# KiCad board ENV_KB_RGB.kicad_pcb (continued)
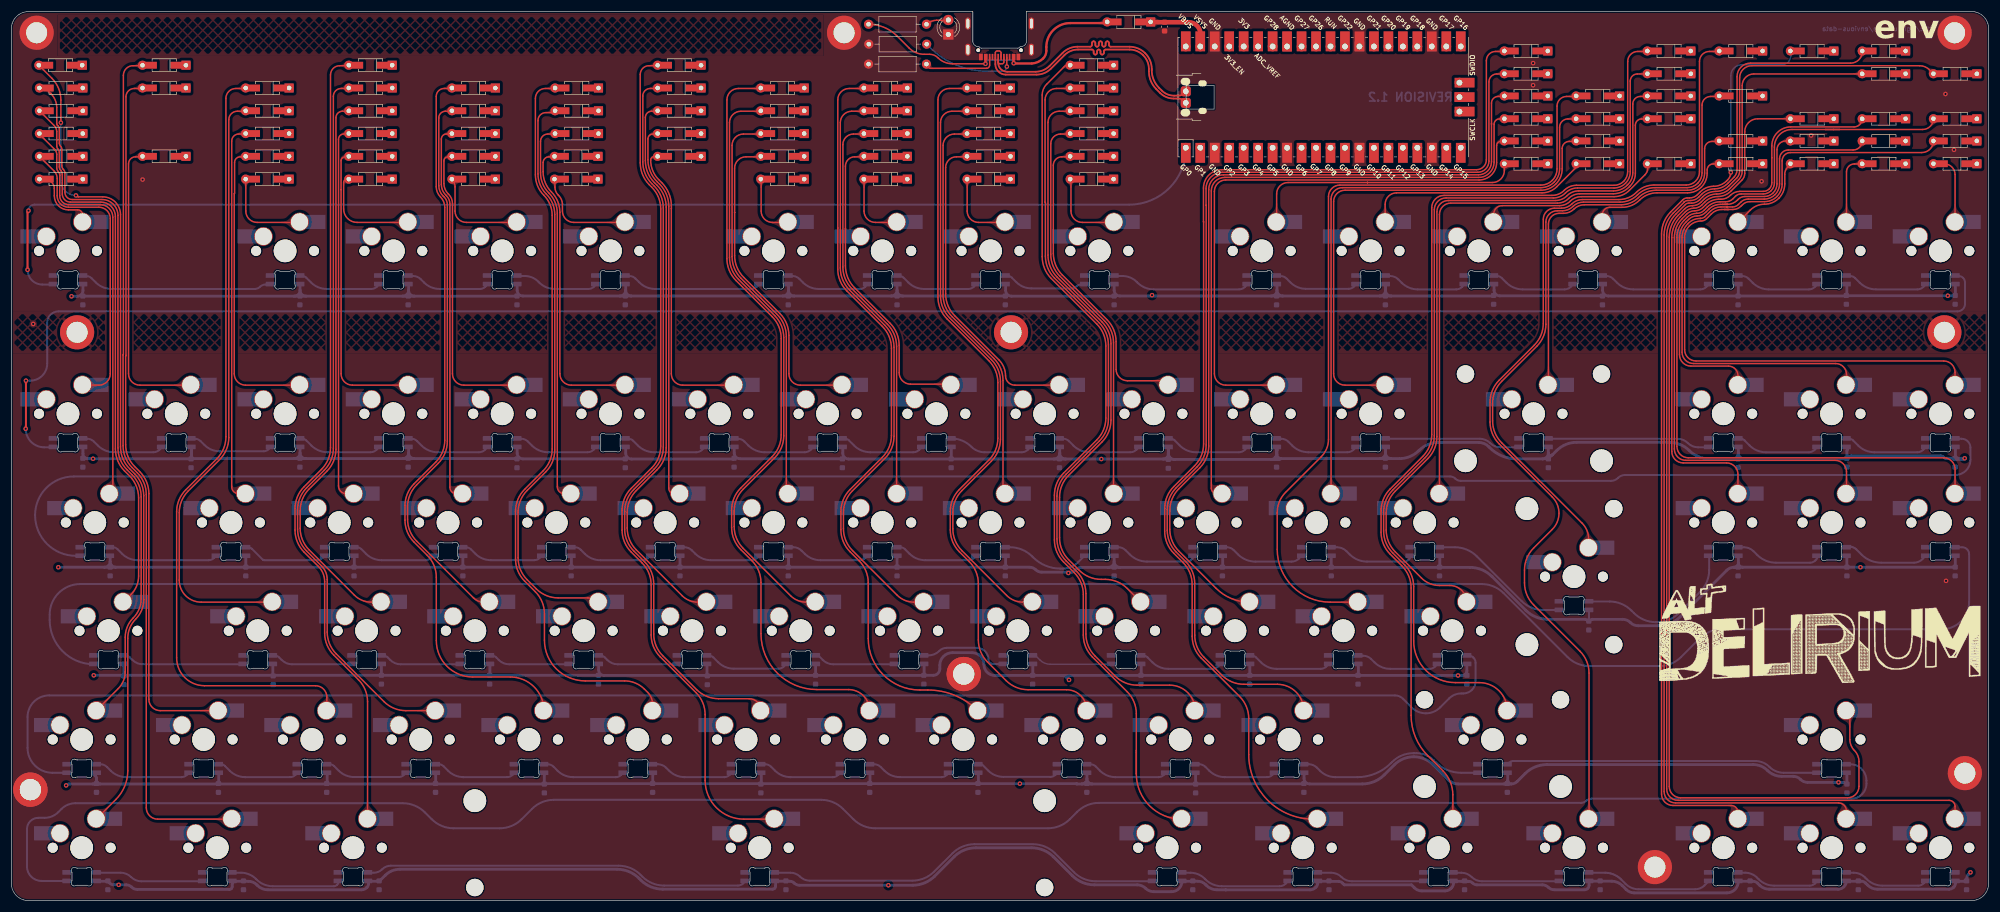
[diagram p0: board, top side]
## Routing (per net, layer and track width the routed paths; a pad name or vN(x,y) marks a point on that pad's centre or on a via; arc(x,y) is an arc through that point) (continued)
USB2_N: length 48
  Top w0.25: 173.18,147.68 173.18,147.25 arc(173.28,147.03) 173.5,146.94 173.87,146.94 arc(174.09,147.03) 174.18,147.25 174.18,148.1
  Top w0.3: RPI0.TP2 205.72,141.72 arc(205.3,141.43) 204.8,141.33 204.06,141.33 arc(202.88,141.57) 201.88,142.24 201.42,142.7 arc(200.47,144.13) 200.13,145.81 200.13,146.01 arc(199.83,147.51) 198.98,148.79 arc(197.71,149.64) 196.21,149.94 192.93,149.94 arc(192.72,150.02) 192.63,150.24 192.63,150.58 arc(192.55,150.79) 192.33,150.88 arc(192.12,150.79) 192.03,150.58 192.03,150.24 arc(191.95,150.02) 191.73,149.94 arc(191.52,150.02) 191.43,150.24 191.43,150.58 arc(191.35,150.79) 191.13,150.88 arc(190.92,150.79) 190.83,150.58 190.83,150.24 arc(190.75,150.02) 190.53,149.94 arc(190.32,150.02) 190.23,150.24 190.23,150.58 arc(190.15,150.79) 189.93,150.88 arc(189.72,150.79) 189.63,150.58 189.63,150.24 arc(189.55,150.02) 189.33,149.94 187.11,149.94 arc(185.7,149.65) 184.5,148.85 182.2,146.56 arc(181.07,145.8) 179.73,145.53 174.76,145.53 arc(173.64,146) 173.18,147.11 173.18,147.68
USB2_P: length 48
  Top w0.25: 172.68,147.72 172.68,148.87 arc(172.78,149.09) 173,149.19 173.35,149.19 arc(173.59,149.09) 173.68,148.85 173.68,148.1
  Top w0.3: 172.68,147.72 172.68,146.86 arc(173.22,145.57) 174.5,145.03 179.93,145.03 arc(181.28,145.3) 182.41,146.06 184.79,148.44 arc(185.89,149.18) 187.2,149.44 189.63,149.44 arc(189.85,149.35) 189.93,149.13 189.93,148.85 arc(190.02,148.64) 190.23,148.55 arc(190.45,148.64) 190.53,148.85 190.53,149.13 arc(190.62,149.35) 190.83,149.44 arc(191.05,149.35) 191.13,149.13 191.13,148.85 arc(191.22,148.64) 191.43,148.55 arc(191.65,148.64) 191.73,148.85 191.73,149.13 arc(191.82,149.35) 192.03,149.44 196.21,149.44 arc(197.52,149.17) 198.63,148.43 arc(199.37,147.32) 199.63,146.01 199.63,145.61 arc(199.97,143.92) 200.92,142.49 201.6,141.81 arc(202.68,141.09) 203.96,140.83 204.8,140.83 arc(205.3,140.74) 205.72,140.45 RPI0.TP3
USBVBUS: length 51.3
  Top w0.25: v1(170.95,146.94) 165.17,146.94 arc(163.78,147.21) 162.6,148 arc(161.94,148.44) 161.15,148.6 160.2,148.6 arc(158.77,148.88) 157.55,149.7 155.44,151.81 arc(153.17,153.33) 150.5,153.86
  Top w0.4: 175.88,148.1 175.88,147.08 arc(175.89,147.06) v1(175.9,147.03) ; v1(175.9,147.03) 175.95,146.99 179.08,146.99 arc(180.17,147.25) 181.08,147.88 arc(181.49,148.49) 181.63,149.21 181.63,149.88 arc(182.86,152.85) 185.83,154.08 191.83,154.08 arc(192.09,154.14) rvs1.2 ; v1(175.9,147.03) arc(175.92,147) 175.95,146.99 ; v1(170.95,146.94) 170.95,146.94 170.95,148.03 170.95,148.03 arc(170.96,148.07) 170.98,148.1
  Bottom w0.3: v1(170.95,146.94) arc(171.14,147.39) 171.59,147.57 175.36,147.57 arc(175.74,147.42) v1(175.9,147.03)
VSYS: length 2128.9
  Top w0.8: 208.69,149.97 208.69,152.12 arc(208.07,153.62) 206.58,154.24 200.02,154.24
  Bottom w0.35: 276.86,51.02 276.86,49.01
  Bottom w0.4: 12.56,79.59 12.56,77.59 v1(14.33,77.59) ; 204.13,77.46 C83.1
  Bottom w0.5: 322.11,106.21 v1(339.84,106.21) 341.16,106.21 ; 203.06,79.59 203.06,78.53 arc(203.37,77.77) 204.13,77.46 221.08,77.46 ; 184.28,39.53 172.58,39.53 arc(171.24,40.09) 170.68,41.44 arc(170.07,42.92) 168.58,43.53 165.15,43.53 arc(163.58,42.89) 162.93,41.32 162.93,40.69 arc(162.6,39.89) 161.81,39.56 C90.1 160.11,39.53 104.03,39.53 arc(103.34,39.82) 103.06,40.51 103.06,41.48 ; 184.28,39.53 185.38,39.53 ; 184.28,39.53 arc(184.79,39.43) 185.22,39.15 ; 194.55,58.51 255.99,58.51 arc(258.07,58.1) 259.83,56.92 265.77,50.98 arc(267.53,49.8) 269.62,49.39 276.2,49.39 arc(276.45,49.34) 276.66,49.2 ; 194.55,58.51 192.52,58.51 ; 194.55,58.51 arc(193.83,58.81) 193.53,59.53 ; 179.26,39.53 179.26,41.48 ; 15.55,20.48 14.32,20.48 ; 15.55,20.48 93.48,20.48 ; 15.55,20.48 arc(15.11,20.66) 14.93,21.1 ; 14.32,20.48 10.03,20.48 arc(9.87,20.45) 9.73,20.36 v1(9.61,20.23) ; 14.32,20.48 arc(14.75,20.66) 14.93,21.1 ; 262.61,21.1 262.61,22.43 ; 262.61,21.1 arc(262.79,20.66) 263.22,20.48 ; 262.61,21.1 arc(262.43,20.66) 262,20.48 ; 122.08,39.51 122.08,41.48 ; 107.81,79.59 107.81,78.56 arc(108.11,77.84) 108.84,77.53 126.81,77.53 ; 93.66,20.53 v1(176.98,20.53) 186.9,20.53 arc(186.93,20.53) 186.96,20.51 arc(186.99,20.49) 187.02,20.48 187.87,20.48 ; 185.22,39.15 v1(185.61,38.75) ; 185.22,39.15 arc(185.17,39.39) 185.38,39.53 ; 231.24,3.4 229.61,3.4 arc(229.36,3.29) 229.25,3.03 arc(229.19,2.7) 229,2.42 228.86,2.28 arc(228.43,2) 227.92,1.9 213.13,1.9 arc(213.12,1.9) 213.12,1.9 arc(213.12,1.9) 213.11,1.9 211.55,1.9 arc(210.58,2.1) 209.74,2.65 209.55,2.84 arc(208.93,3.26) 208.21,3.4 207.42,3.4 ; 93.53,20.41 93.53,22.43 ; 31.61,77.56 31.61,79.59 ; 14.94,3.4 16.93,3.4 ; 126.86,79.59 126.86,78.59 arc(127.15,77.88) 127.86,77.59 145.86,77.59 ; 322.21,79.51 322.21,79.16 arc(322.2,79.11) 322.17,79.07 arc(322.14,79.03) 322.13,78.98 322.13,77.96 arc(322.22,77.82) 322.38,77.86 arc(322.65,78.04) 322.97,78.1 338.53,78.1 arc(338.82,78.04) 339.06,77.88 arc(339.3,77.72) 339.59,77.66 v1(342.8,77.66) 342.7,77.56 arc(342.59,77.49) 342.45,77.46 341.03,77.46 ; v1(10.55,106.11) 11.55,106.11 arc(12.26,106.4) 12.56,107.11 12.56,108.17 ; 276.88,3.4 276.88,2.68 arc(276.82,2.38) 276.65,2.13 arc(276.4,1.96) 276.1,1.91 270.77,1.91 arc(270.21,2.02) 269.73,2.34 arc(269.25,2.66) 268.69,2.77 257.2,2.77 arc(256.8,2.85) 256.45,3.08 arc(256.11,3.31) 255.71,3.39 253.07,3.39 ; 88.76,108.17 88.76,107.16 arc(89.05,106.45) 89.76,106.16 106.8,106.16 ; 242.15,77.61 243.59,77.61 arc(245.45,77.98) 247.03,79.03 arc(248.61,80.09) 250.47,80.46 257.46,80.46 arc(258.43,80.27) 259.26,79.72 259.46,79.52 arc(261.63,78.07) 264.18,77.56 268.72,77.56 ; 242.15,77.61 240.17,77.61 ; 242.15,77.61 arc(241.45,77.9) 241.16,78.6 ; 182.97,77.53 164.98,77.53 ; 182.97,77.53 185,77.53 ; 182.97,77.53 arc(183.68,77.83) 183.98,78.55 ; 222.13,79.57 222.13,79.13 arc(222.13,79.11) 222.12,79.1 arc(222.11,79.08) 222.11,79.07 222.11,78.35 arc(222.32,77.83) 222.85,77.61 ; 253.06,3.4 253.06,2.98 arc(252.99,2.59) 252.77,2.26 252.64,2.13 arc(252.17,1.82) 251.61,1.7 247.53,1.7 arc(246.83,1.84) 246.24,2.24 245.71,2.77 233.91,2.77 233.61,3.08 arc(233.27,3.3) 232.87,3.38 231.25,3.38 ; 192.52,58.51 187.77,58.51 arc(187.23,58.4) 186.76,58.09 186.59,57.92 arc(186.32,57.74) 186,57.68 185.75,57.68 arc(185.65,57.66) 185.57,57.6 v1(185.5,57.53) 185.42,57.6 arc(185.34,57.66) 185.24,57.68 180.79,57.68 arc(180.23,57.79) 179.75,58.11 arc(179.28,58.42) 178.72,58.53 18.33,58.53 ; 192.52,58.51 arc(193.23,58.81) 193.53,59.53 ; 46.03,39.56 C43.1 ; 255.43,41.48 255.43,40.31 arc(255.21,39.76) 254.66,39.53 v1(253.88,39.53) 185.38,39.53 ; 31.58,77.59 v1(14.33,77.59) 13.45,77.59 arc(12.82,77.84) 12.56,78.47 12.56,79.59 ; 183.98,78.55 183.98,79.57 ; 183.98,78.55 arc(184.28,77.83) 185,77.53 ; 240.17,77.61 222.85,77.61 ; 240.17,77.61 arc(240.87,77.9) 241.16,78.6 ; 222.85,77.61 arc(222.68,77.5) 222.48,77.46 221.08,77.46 ; 302.07,77.56 297.99,77.56 arc(296.09,77.94) 294.48,79.02 arc(292.87,80.09) 290.96,80.47 274.7,80.47 arc(272.8,80.09) 271.19,79.02 270.45,78.28 ; 302.07,77.56 304.09,77.56 ; 302.07,77.56 arc(302.79,77.86) 303.08,78.57 ; 145.91,79.59 145.91,78.56 arc(146.21,77.84) 146.94,77.53 164.93,77.53 ; 221.08,77.46 arc(221.75,77.74) 222.03,78.41 LED28.1 ; 341.17,3.4 341.17,3.03 arc(341.1,2.69) 340.91,2.4 340.84,2.33 arc(340.47,2.08) 340.04,2 327.5,2 arc(326.58,2.18) 325.79,2.7 325.42,3.07 arc(325.05,3.32) 324.61,3.41 324.13,3.41 ; 221.1,106.16 200.44,106.16 arc(200.34,106.18) 200.26,106.23 v1(200.18,106.31) 200.11,106.23 arc(200.02,106.18) 199.93,106.16 194.54,106.16 arc(193.83,106.45) 193.53,107.16 193.53,108.17 ; 221.1,106.16 223.11,106.16 ; 221.1,106.16 arc(221.81,106.45) 222.11,107.16 ; C4.1 41.13,60.54 ; 262,20.48 253.9,20.48 arc(252.97,20.67) 252.18,21.2 249.53,23.85 arc(247.96,24.89) 246.12,25.26 arc(244.27,24.89) 242.7,23.85 240.94,22.08 arc(239.17,20.9) 237.09,20.48 227.83,20.48 arc(227.14,20.77) 226.86,21.46 226.86,22.43 ; 262,20.48 263.22,20.48 ; 50.66,78.6 50.66,79.59 ; 50.66,78.6 arc(50.37,77.9) 49.67,77.61 ; 50.66,78.6 arc(50.95,77.9) 51.65,77.61 ; 341.16,58.51 341.16,60.53 ; 50.66,107.15 50.66,108.17 ; 50.66,107.15 arc(50.96,106.43) 51.68,106.13 ; 50.66,107.15 arc(50.36,106.43) 49.64,106.13 ; 185,77.53 v1(191.28,77.53) 202.16,77.53 ; 207.93,20.51 226.83,20.51 ; v1(14.46,39.56) 19.63,39.56 ; 174.48,108.17 174.48,107.15 arc(174.78,106.43) 175.5,106.13 193.51,106.13 ; 303.08,59.29 303.08,60.53 ; 303.08,59.29 arc(302.86,58.75) 302.33,58.53 ; 303.08,59.29 arc(303.3,58.75) 303.83,58.53 ; 241.16,78.6 241.16,79.59 ; 270.45,78.28 arc(269.99,78.19) 269.73,78.58 ; 270.45,78.28 arc(269.66,77.75) 268.72,77.56 ; 55.42,20.5 55.42,22.44 ; 150.68,20.48 150.68,22.43 ; 136.38,107.16 136.38,108.17 ; 136.38,107.16 arc(136.09,106.45) 135.38,106.16 ; 136.38,107.16 arc(136.68,106.45) 137.39,106.16 ; 202.16,77.53 202.98,77.53 ; 202.16,77.53 arc(202.78,77.79) 203.03,78.41 LED27.1 ; 212.58,58.56 212.58,60.54 ; 74.46,20.48 74.46,22.43 ; 18.33,58.53 16.33,58.53 ; 18.33,58.53 arc(17.63,58.83) 17.33,59.53 ; 16.33,58.53 v1(8.23,58.53) ; 16.33,58.53 arc(17.04,58.83) 17.33,59.53 ; 189.65,20.48 207.81,20.48 ; 189.65,20.48 187.87,20.48 ; 189.65,20.48 arc(189.02,20.74) 188.76,21.37 ; 45.83,39.56 19.83,39.56 ; 108.81,106.16 106.8,106.16 ; 108.81,106.16 135.38,106.16 ; 108.81,106.16 arc(108.1,106.45) 107.81,107.16 ; 106.8,106.16 arc(107.51,106.45) 107.81,107.16 ; 207.83,20.41 207.83,22.43 ; 135.38,106.16 137.39,106.16 ; C66.1 155.43,60.54 ; 279.26,108.17 279.26,107.16 arc(279.55,106.45) 280.26,106.16 322.06,106.16 ; 260.21,108.17 260.21,107.18 arc(260.5,106.48) 261.2,106.19 279.23,106.19 ; 69.71,107.15 69.71,108.17 ; 69.71,107.15 arc(70.01,106.43) 70.73,106.13 ; 69.71,107.15 arc(69.41,106.43) 68.69,106.13 ; 45.88,39.51 45.88,41.48 ; 40.78,3.39 41.62,3.39 arc(42.39,3.24) 43.05,2.8 43.2,2.65 arc(44.02,2.09) 45,1.9 61.47,1.9 arc(61.93,1.99) 62.32,2.25 62.43,2.36 arc(62.61,2.63) 62.67,2.95 62.67,3.29 ; 154.43,106.16 137.39,106.16 ; 154.43,106.16 156.44,106.16 ; 154.43,106.16 arc(155.14,106.45) 155.43,107.16 ; 107.78,77.56 89.78,77.56 arc(89.06,77.86) 88.76,78.58 88.76,79.59 ; 49.64,106.13 12.58,106.13 ; 49.64,106.13 51.68,106.13 ; 322.12,60.54 322.12,58.52 ; 304.09,77.56 322.08,77.56 ; 304.09,77.56 arc(303.38,77.86) 303.08,78.57 ; 240.15,106.16 223.11,106.16 ; 240.15,106.16 242.16,106.16 ; 240.15,106.16 arc(240.86,106.45) 241.16,107.16 ; 223.11,106.16 arc(222.4,106.45) 222.11,107.16 ; 40.78,3.4 39.33,3.4 arc(38.92,3.23) 38.75,2.82 38.75,2.44 arc(38.72,2.26) 38.61,2.1 arc(38.46,2) 38.28,1.97 22.08,1.97 arc(21.56,2.07) 21.11,2.37 arc(20.66,2.67) 20.14,2.77 v1(18.83,2.77) 17.99,2.77 arc(17.59,2.85) 17.24,3.08 16.93,3.39 ; 36.38,20.48 36.38,22.43 ; 141.13,39.53 141.13,41.48 ; 136.38,58.51 136.38,60.54 ; 341.18,3.39 342.71,3.39 arc(343.03,3.52) 343.16,3.85 arc(343.25,4.27) 343.49,4.63 v1(343.82,4.96) ; 83.98,39.53 83.98,41.48 ; 322.13,22.43 322.13,20.66 arc(322.07,20.56) 321.96,20.59 arc(321.76,20.71) 321.54,20.76 v1(320.66,20.76) 315.26,20.76 arc(314.57,20.9) 313.98,21.29 arc(313.39,21.68) 312.7,21.82 310.68,21.82 arc(309.33,22.09) 308.19,22.85 arc(307.05,23.62) 305.7,23.89 269.49,23.89 arc(267.41,23.47) 265.64,22.29 264.27,20.92 arc(263.79,20.6) 263.22,20.48 ; 222.11,107.16 222.11,108.17 ; 19.71,39.48 19.71,41.49 ; 70.73,106.13 88.73,106.13 ; 70.73,106.13 68.69,106.13 ; 64.56,3.39 65.62,4.45 arc(66.79,5.23) 68.17,5.51 106.3,5.51 arc(108.38,5.09) 110.15,3.91 110.45,3.6 arc(112.22,2.42) 114.3,2.01 133.59,2.01 arc(133.79,2.05) 133.96,2.16 arc(134.07,2.33) 134.11,2.53 134.11,3.28 ; 236.4,41.5 236.4,39.55 ; 164.96,77.51 164.96,79.59 ; 69.71,78.6 69.71,79.59 ; 69.71,78.6 arc(70,77.9) 70.7,77.61 ; 69.71,78.6 arc(69.42,77.9) 68.72,77.61 ; 322.12,108.17 322.12,106.22 ; 98.28,58.51 98.28,60.54 ; 305.13,3.4 305.62,3.4 arc(306.08,3.31) 306.46,3.05 306.82,2.7 arc(307.59,2.18) 308.51,2 320.58,2 arc(321.61,2.42) LED87.1 ; 156.44,106.16 174.46,106.16 ; 156.44,106.16 arc(155.73,106.45) 155.43,107.16 ; 268.72,77.56 arc(269.43,77.86) 269.73,78.58 ; 107.81,107.16 107.81,108.17 ; 17.33,59.53 17.33,60.53 ; 117.33,60.54 117.33,58.53 ; 70.7,77.61 88.71,77.61 ; 70.7,77.61 68.72,77.61 ; 188.76,21.37 188.76,22.43 ; 188.76,21.37 arc(188.5,20.74) 187.87,20.48 ; 303.83,58.53 302.33,58.53 ; 303.83,58.53 v1(324.51,58.53) 341.13,58.53 ; 302.33,58.53 arc(301.64,58.4) 301.05,58 292.91,49.86 arc(291.14,48.68) 289.06,48.27 285.49,48.27 arc(284.75,48.41) 284.13,48.83 arc(283.51,49.24) 282.77,49.39 277.5,49.39 arc(277.25,49.34) 277.04,49.2 ; 68.69,106.13 51.68,106.13 ; 322.32,3.4 324.12,3.4 ; 242.16,106.16 260.18,106.16 ; 242.16,106.16 arc(241.45,106.45) 241.16,107.16 ; 217.33,39.53 217.33,41.48 ; 205.55,3.4 207.42,3.4 ; 68.72,77.61 51.65,77.61 ; 303.21,3.4 305.13,3.4 ; 276.89,3.41 280.87,3.41 arc(281.85,3.21) 282.69,2.66 283.4,1.94 arc(284.05,1.51) 284.82,1.35 301.07,1.35 arc(302.48,1.94) 303.07,3.35 303.07,3.4 ; 269.73,78.58 269.73,79.59 ; 341.18,77.61 341.18,79.58 ; 303.07,108.17 303.07,106.17 ; 198.28,39.51 198.28,41.48 ; 160.18,39.53 160.18,41.48 ; 303.08,78.57 303.08,79.58 ; 193.53,59.53 193.53,60.54 ; 155.43,107.16 155.43,108.17 ; 131.61,20.41 131.61,22.43 ; 14.94,22.44 14.68,22.18 arc(14.64,22.13) 14.63,22.07 arc(14.64,22.01) 14.68,21.96 14.78,21.86 arc(14.89,21.69) 14.93,21.5 14.93,21.1 ; 169.71,20.48 169.71,22.43 ; 64.93,39.53 64.93,41.48 ; 79.23,58.48 79.23,60.54 ; 62.56,3.4 64.56,3.4 ; 49.67,77.61 31.66,77.61 ; 49.67,77.61 51.65,77.61 ; 60.18,58.53 60.18,60.54 ; C89.1 231.63,60.54 ; 241.16,107.16 241.16,108.17 ; 112.56,20.48 112.56,22.43 ; 174.48,58.56 174.48,60.54 ; 341.17,108.17 341.17,106.2 ; 250.68,58.51 250.68,60.54 ; 134,3.4 arc(134.01,3.4) 134.01,3.4 136.61,3.4 arc(137.02,3.32) 137.37,3.09 arc(137.81,2.8) 138.32,2.69 v1(153.9,2.69) 158.18,2.69 arc(160.26,3.11) 162.03,4.29 165.42,7.68 arc(167.19,8.86) 169.27,9.28 179.05,9.28 arc(181.13,8.86) 182.89,7.68 186.21,4.36 arc(187.98,3.18) 190.06,2.77 197.59,2.77 arc(198.37,2.61) 199.04,2.17 arc(199.71,1.72) 200.5,1.56 203.61,1.56 arc(204.9,2.1) 205.44,3.4
Net-(D0-Pad2): length 12
  Top w0.25: 12.5,119.08 12.5,120.42 arc(12.24,121.03) 11.63,121.28 9.99,121.28 arc(8.25,122.01) 7.53,123.74 7.53,125.02 arc(7.07,126.14) 5.96,126.6
Net-(D1-Pad2): length 15.6
  Top w0.25: 50.6,119.08 43.14,119.08 arc(41.72,119.67) 41.14,121.08 41.14,126.1
Net-(D2-Pad2): length 18.6
  Top w0.25: 69.65,119.08 60.67,119.08 arc(59,119.77) 58.31,121.44 58.31,126.11 arc(58.45,126.46) 58.8,126.6 59.24,126.6
Net-(D3-Pad2): length 17.6
  Top w0.25: 88.7,119.08 79.86,119.08 arc(78.44,119.67) 77.86,121.08 77.86,125.35 arc(77.72,126.02) 77.34,126.6
Net-(D4-Pad2): length 17.6
  Top w0.25: 107.75,119.08 98.71,119.08 arc(97.29,119.67) 96.71,121.08 96.71,122.22 arc(96.54,123.08) 96.05,123.81 95.96,123.89 arc(95.54,124.53) 95.39,125.28 95.39,126.1
Net-(D5-Pad2): length 11.4
  Top w0.25: 136.32,119.08 133.58,119.08 arc(132.16,119.67) 131.58,121.08 131.58,126.6
Net-(D6-Pad2): length 12.4
  Top w0.25: 155.37,119.08 151.64,119.08 arc(150.22,119.67) 149.64,121.08 149.64,126.6
Net-(D7-Pad2): length 13.3
  Top w0.25: 174.42,119.08 169.74,119.08 arc(168.32,119.67) 167.74,121.08 167.74,126.6
Net-(D8-Pad2): length 14.2
  Top w0.25: 185.95,126.6 185.95,121.08 arc(186.54,119.67) 187.95,119.08 193.47,119.08
Net-(D9-Pad2): length 48.5
  Top w0.25: D9.2 262.01,128.19 arc(261.4,126.7) 259.91,126.09 237.97,126.09 224.05,126.09 arc(222.63,125.5) 222.05,124.09 222.05,119.08
Net-(D10-Pad2): length 39.6
  Top w0.25: 241.1,119.08 241.1,122.28 arc(241.68,123.69) 243.1,124.28 268.64,124.28 arc(270.03,124.55) 271.21,125.34 274.64,128.77
Net-(D11-Pad2): length 31.3
  Top w0.25: 287.19,129.35 287.19,128.65 arc(287.06,128) 286.69,127.45 283.96,124.71 arc(282.73,123.89) 281.28,123.6 275.49,123.6 arc(274.46,123.4) 273.58,122.81 arc(272.71,122.23) 271.68,122.03 261.62,122.03 arc(260.58,121.59) 260.15,120.55
Net-(D12-Pad2): length 25.1
  Top w0.25: 299.74,129.35 298.67,129.35 arc(297.92,129.04) 297.61,128.28 297.61,127.72 arc(297.35,126.4) 296.6,125.29 arc(295.48,124.54) 294.17,124.28 288.83,124.28 arc(287.17,123.95) 285.75,123.01 arc(284.34,122.06) 282.68,121.73 280.52,121.73 arc(279.59,121.34) 279.2,120.41
Net-(D13-Pad2): length 15.3
  Top w0.25: 312.29,129.35 311.76,128.82 arc(311.36,128.23) 311.23,127.54 311.23,125.85 arc(310.95,124.48) 310.18,123.32 310.17,123.31 arc(309.03,122.55) 307.67,122.28 arc(306.32,122.01) 305.18,121.25 303.01,119.08
Net-(D14-Pad2): length 12.5
  Top w0.25: 322.06,119.08 322.06,127.96 arc(322.47,128.94) 323.45,129.35 324.84,129.35
Net-(D15-Pad2): length 11.3
  Top w0.25: 341.11,119.08 341.11,127.49 arc(340.57,128.8) 339.25,129.35
Net-(D16-Pad2): length 53
  Top w0.25: 12.5,90.5 15.35,90.5 arc(16.76,91.09) 17.35,92.5 17.35,119.75 arc(16.76,121.16) 15.35,121.75 10.03,121.75 arc(8.62,122.34) 8.03,123.75 8.03,126.81 arc(7.89,127.51) 7.5,128.1 D16.2
Net-(D17-Pad2): length 52.2
  Top w0.25: 23.04,130.6 21.8,130.6 arc(20.92,130.24) 20.56,129.36 20.56,92.5 arc(21.14,91.09) 22.56,90.5 31.55,90.5
Net-(D18-Pad2): length 52.3
  Top w0.25: 50.6,90.5 41.11,90.5 arc(39.7,91.09) 39.11,92.5 39.11,124.09 arc(39.12,124.13) 39.14,124.16 arc(39.16,124.19) 39.17,124.23 39.17,129.62 arc(39.46,130.31) 40.15,130.6 41.14,130.6
Net-(D19-Pad2): length 51.4
  Top w0.25: 69.65,90.5 59.86,90.5 arc(58.44,91.09) 57.86,92.5 57.86,124.85 arc(57.86,124.85) 57.86,124.85 57.86,129.91 arc(58.06,130.4) 58.55,130.6
Net-(D20-Pad2): length 52.1
  Top w0.25: 88.7,90.5 79.41,90.5 arc(77.99,91.09) 77.41,92.5 77.41,122.4 arc(77.23,123.28) 76.73,124.02 76.66,124.1 arc(76.1,124.93) 75.91,125.91 75.91,129.88 arc(76.12,130.39) 76.62,130.6 77.34,130.6
Net-(D21-Pad2): length 53.1
  Top w0.25: 107.75,90.5 98.26,90.5 arc(96.84,91.09) 96.26,92.5 96.26,120.87 arc(95.88,122.79) 94.78,124.42 arc(93.69,126.06) 93.31,127.98 93.31,129.56 arc(93.62,130.3) 94.35,130.6 95.39,130.6
Net-(D22-Pad2): length 52.3
  Top w0.25: 126.8,90.5 117.82,90.5 arc(116.4,91.09) 115.82,92.5 115.82,121.49 115.83,121.5 115.83,121.98 arc(115.39,124.19) 114.13,126.06 113.61,126.59 arc(112.56,128.16) 112.19,130 arc(112.39,130.49) 112.87,130.69 D22.2
Net-(D23-Pad2): length 55.9
  Top w0.25: 145.85,90.5 138.45,90.5 arc(137.04,91.09) 136.45,92.5 136.45,99.25 arc(136.04,101.33) 134.86,103.1 128.52,109.44 arc(127.34,111.2) 126.93,113.28 126.93,120.82 126.92,128.6 arc(127.51,130.01) 128.92,130.6 131.57,130.6
Net-(D24-Pad2): length 54.2
  Top w0.25: 149.64,130.6 148.01,130.6 arc(146.85,130.12) 146.37,128.97 146.37,117.98 arc(146.37,117.98) 146.38,117.98 146.38,111.46 arc(146.79,109.38) 147.97,107.61 154.21,101.37 arc(155.39,99.61) 155.8,97.53 155.8,92.68 arc(156.39,91.27) 157.8,90.68 164.9,90.68
Net-(D25-Pad2): length 55.8
  Top w0.25: 167.74,130.6 165.85,130.6 arc(164.51,130.05) 163.96,128.71 163.96,106.55 arc(164.37,104.47) 165.55,102.7 173.32,94.94 arc(174.17,93.66) 174.47,92.14 arc(174.95,90.98) 176.11,90.5 183.95,90.5
Net-(D26-Pad2): length 54
  Top w0.25: 185.84,130.6 184.35,130.6 arc(183.29,130.16) 182.86,129.11 182.86,113.68 arc(183.27,111.59) 184.45,109.83 192.28,102 arc(193.46,100.23) 193.87,98.15 193.87,93.28 arc(194.46,91.87) 195.87,91.28 203,91.28
Net-(D27-Pad2): length 100.6
  Top w0.25: 222.05,90.5 213.13,90.5 arc(211.71,91.09) 211.13,92.5 211.13,124.54 arc(211.71,125.95) 213.13,126.54 257.58,126.54 arc(259.76,127.44) 260.66,129.61 260.66,132.59 arc(260.87,133.09) 261.37,133.3
Net-(D28-Pad2): length 90.6
  Top w0.25: 274.64,133.3 273.4,133.3 arc(272.52,132.94) 272.16,132.06 272.16,128.48 arc(271.87,127.05) 271.06,125.83 arc(269.85,125.02) 268.42,124.73 234.05,124.73 arc(232.64,124.15) 232.05,122.73 232.05,92.5 arc(232.64,91.09) 234.05,90.5 241.1,90.5
Net-(D29-Pad2): length 67.1
  Top w0.25: 299.74,133.3 298.45,133.3 arc(297.54,132.92) 297.16,132.01 297.16,127.75 arc(296.93,126.6) 296.27,125.62 arc(295.29,124.96) 294.13,124.73 288.65,124.73 arc(286.98,124.4) 285.57,123.45 arc(284.16,122.51) 282.49,122.18 276.05,122.18 arc(275.07,121.98) 274.23,121.43 arc(273.4,120.87) 272.42,120.68 271.61,120.68 arc(270.3,120.13) 269.75,118.81 269.75,90.58
Net-(D30-Pad2): length 66.7
  Top w0.25: 300.74,122.25 301.11,122.25 ; 300.74,122.25 300.27,122.25 ; 300.74,122.25 301.12,122.25 ; 301.11,122.25 300.27,122.25 ; 301.11,122.25 arc(302.09,122.45) 302.93,123 303.08,123.15 arc(303.61,123.51) 304.23,123.63 307.63,123.63 arc(308.48,123.8) 309.21,124.28 arc(309.69,125.01) 309.86,125.86 309.86,131.84 arc(310.31,132.93) 311.4,133.38 D30.2 ; 300.27,122.25 299.93,122.25 arc(298.84,122.03) 297.91,121.41 297.34,120.84 arc(296.65,120.39) 295.85,120.22 arc(295.04,120.06) 294.35,119.61 293.86,119.11 arc(293.04,117.88) 292.75,116.43 292.75,95.85 arc(293.34,94.44) 294.75,93.85 301.34,93.85 arc(302.52,93.36) 303.01,92.18 303.01,90.5
Net-(D31-Pad2): length 95.5
  Top w0.25: 322.06,90.5 322.06,92.4 arc(321.5,93.75) 320.16,94.3 295.2,94.3 arc(293.79,94.89) 293.2,96.3 293.2,116.43 arc(293.45,117.71) 294.18,118.8 arc(294.18,118.8) 294.18,118.8 294.33,118.95 arc(295.24,119.56) 296.32,119.77 296.41,119.77 arc(296.42,119.78) 296.43,119.78 arc(296.88,119.87) 297.25,120.12 298.18,121.04 arc(299.01,121.6) 300,121.8 302.06,121.8 arc(302.62,121.91) 303.1,122.23 303.5,122.63 arc(304.11,123.04) 304.82,123.18 307.63,123.18 arc(308.65,123.38) 309.52,123.96 arc(310.1,124.83) 310.31,125.86 310.31,130.26 arc(310.76,131.35) 311.85,131.8 323.23,131.8 arc(324.35,132.26) D31.2
Net-(D32-Pad2): length 126.5
  Top w0.25: 300.63,121.35 302.12,121.35 arc(302.9,121.5) 303.56,121.94 303.8,122.19 arc(304.4,122.59) 305.11,122.73 307.67,122.73 arc(308.85,122.96) 309.85,123.63 arc(310.52,124.64) 310.76,125.82 310.76,129.87 arc(311.19,130.92) 312.23,131.35 335.28,131.35 arc(336.72,131.95) D32.2 ; 300.63,121.35 300.19,121.35 arc(299.2,121.15) 298.36,120.59 297.48,119.71 arc(297.05,119.43) 296.54,119.32 arc(295.44,119.1) 294.5,118.48 arc(293.87,117.54) 293.65,116.43 293.65,96.75 arc(294.24,95.34) 295.65,94.75 339.11,94.75 arc(340.52,94.17) 341.11,92.76 341.11,90.5 ; 300.63,121.35 301.27,121.35
Net-(D33-Pad2): length 71.6
  Top w0.25: 17.8,71.99 17.8,119.99 arc(17.15,121.55) 15.59,122.2 10.06,122.2 arc(8.95,122.66) 8.48,123.78 8.48,127.38 arc(8.41,127.72) 8.22,128.01 arc(8.03,128.3) 7.96,128.65 7.96,131.03 arc(7.86,131.5) 7.6,131.89 4.91,134.58
Net-(D34-Pad2): length 65.8
  Top w0.25: 41.14,134.6 39.9,134.6 arc(39.02,134.24) 38.66,133.36 38.66,72.66 arc(39.01,71.81) 39.87,71.45
Net-(D35-Pad2): length 65.4
  Top w0.25: 59.24,134.6 58.32,134.6 arc(57.68,134.33) 57.41,133.68 57.41,72.81 arc(57.81,71.85) 58.77,71.45
Net-(D36-Pad2): length 65.6
  Top w0.25: 77.21,134.6 76.33,134.6 arc(75.71,134.34) 75.46,133.72 75.46,125.72 arc(75.65,124.74) 76.21,123.91 76.35,123.77 arc(76.8,123.1) 76.96,122.31 76.96,72.56 arc(77.28,71.78) 78.07,71.45
Net-(D37-Pad2): length 66.6
  Top w0.25: 95.44,134.6 94.15,134.6 arc(93.24,134.22) 92.86,133.31 92.86,127.79 arc(93.24,125.87) 94.34,124.24 arc(95.43,122.61) 95.81,120.68 95.81,72.66 arc(96.16,71.81) 97.02,71.45
Net-(D38-Pad2): length 66.1
  Top w0.25: 113.44,134.6 112.57,134.6 arc(111.96,134.35) 111.71,133.74 111.71,130.1 arc(112.13,128.02) 113.31,126.25 113.78,125.78 arc(114.95,124.01) 115.37,121.93 115.37,72.41 arc(115.65,71.73) 116.32,71.45
Net-(D39-Pad2): length 70.5
  Top w0.25: 136,71.78 136,99.06 arc(135.59,101.15) 134.41,102.91 128.07,109.25 arc(126.89,111.02) 126.47,113.1 126.47,132.6 arc(127.06,134.01) 128.47,134.6 131.54,134.6
Net-(D40-Pad2): length 69.5
  Top w0.25: 149.64,134.6 147.78,134.6 arc(146.47,134.06) 145.92,132.74 145.92,111.27 arc(146.34,109.19) 147.52,107.42 153.76,101.19 arc(154.94,99.42) 155.35,97.34 155.35,71.48
Net-(D41-Pad2): length 70
  Top w0.25: 174.03,71.85 174.03,91.34 arc(173.61,93.42) 172.43,95.19 165.1,102.52 arc(163.92,104.28) 163.51,106.36 163.51,132.6 arc(164.09,134.01) 165.51,134.6 167.74,134.6
Net-(D42-Pad2): length 69.9
  Top w0.25: 193.43,71.5 193.43,97.96 arc(193.01,100.05) 191.83,101.81 184,109.64 arc(182.82,111.41) 182.41,113.49 182.41,132.88 arc(182.91,134.1) 184.12,134.6 185.84,134.6
Net-(D43-Pad2): length 115.3
  Top w0.25: 262.09,137.25 261.15,137.25 arc(260.48,136.97) 260.21,136.31 260.21,129.67 arc(259.42,127.77) 257.52,126.99 212.95,126.99 arc(211.28,126.29) 210.58,124.62 210.58,72.42 arc(210.87,71.74) 211.55,71.45
Net-(D44-Pad2): length 105.9
  Top w0.25: 231.6,71.48 231.6,123.18 arc(232.19,124.6) 233.6,125.18 268.42,125.18 arc(269.68,125.44) 270.74,126.15 arc(271.46,127.22) 271.71,128.48 271.71,135.79 arc(272.14,136.82) 273.17,137.25 274.64,137.25
